# Altium PCB BMS_V2.1_Adv.PcbDoc (part 1 of 4) (continued)
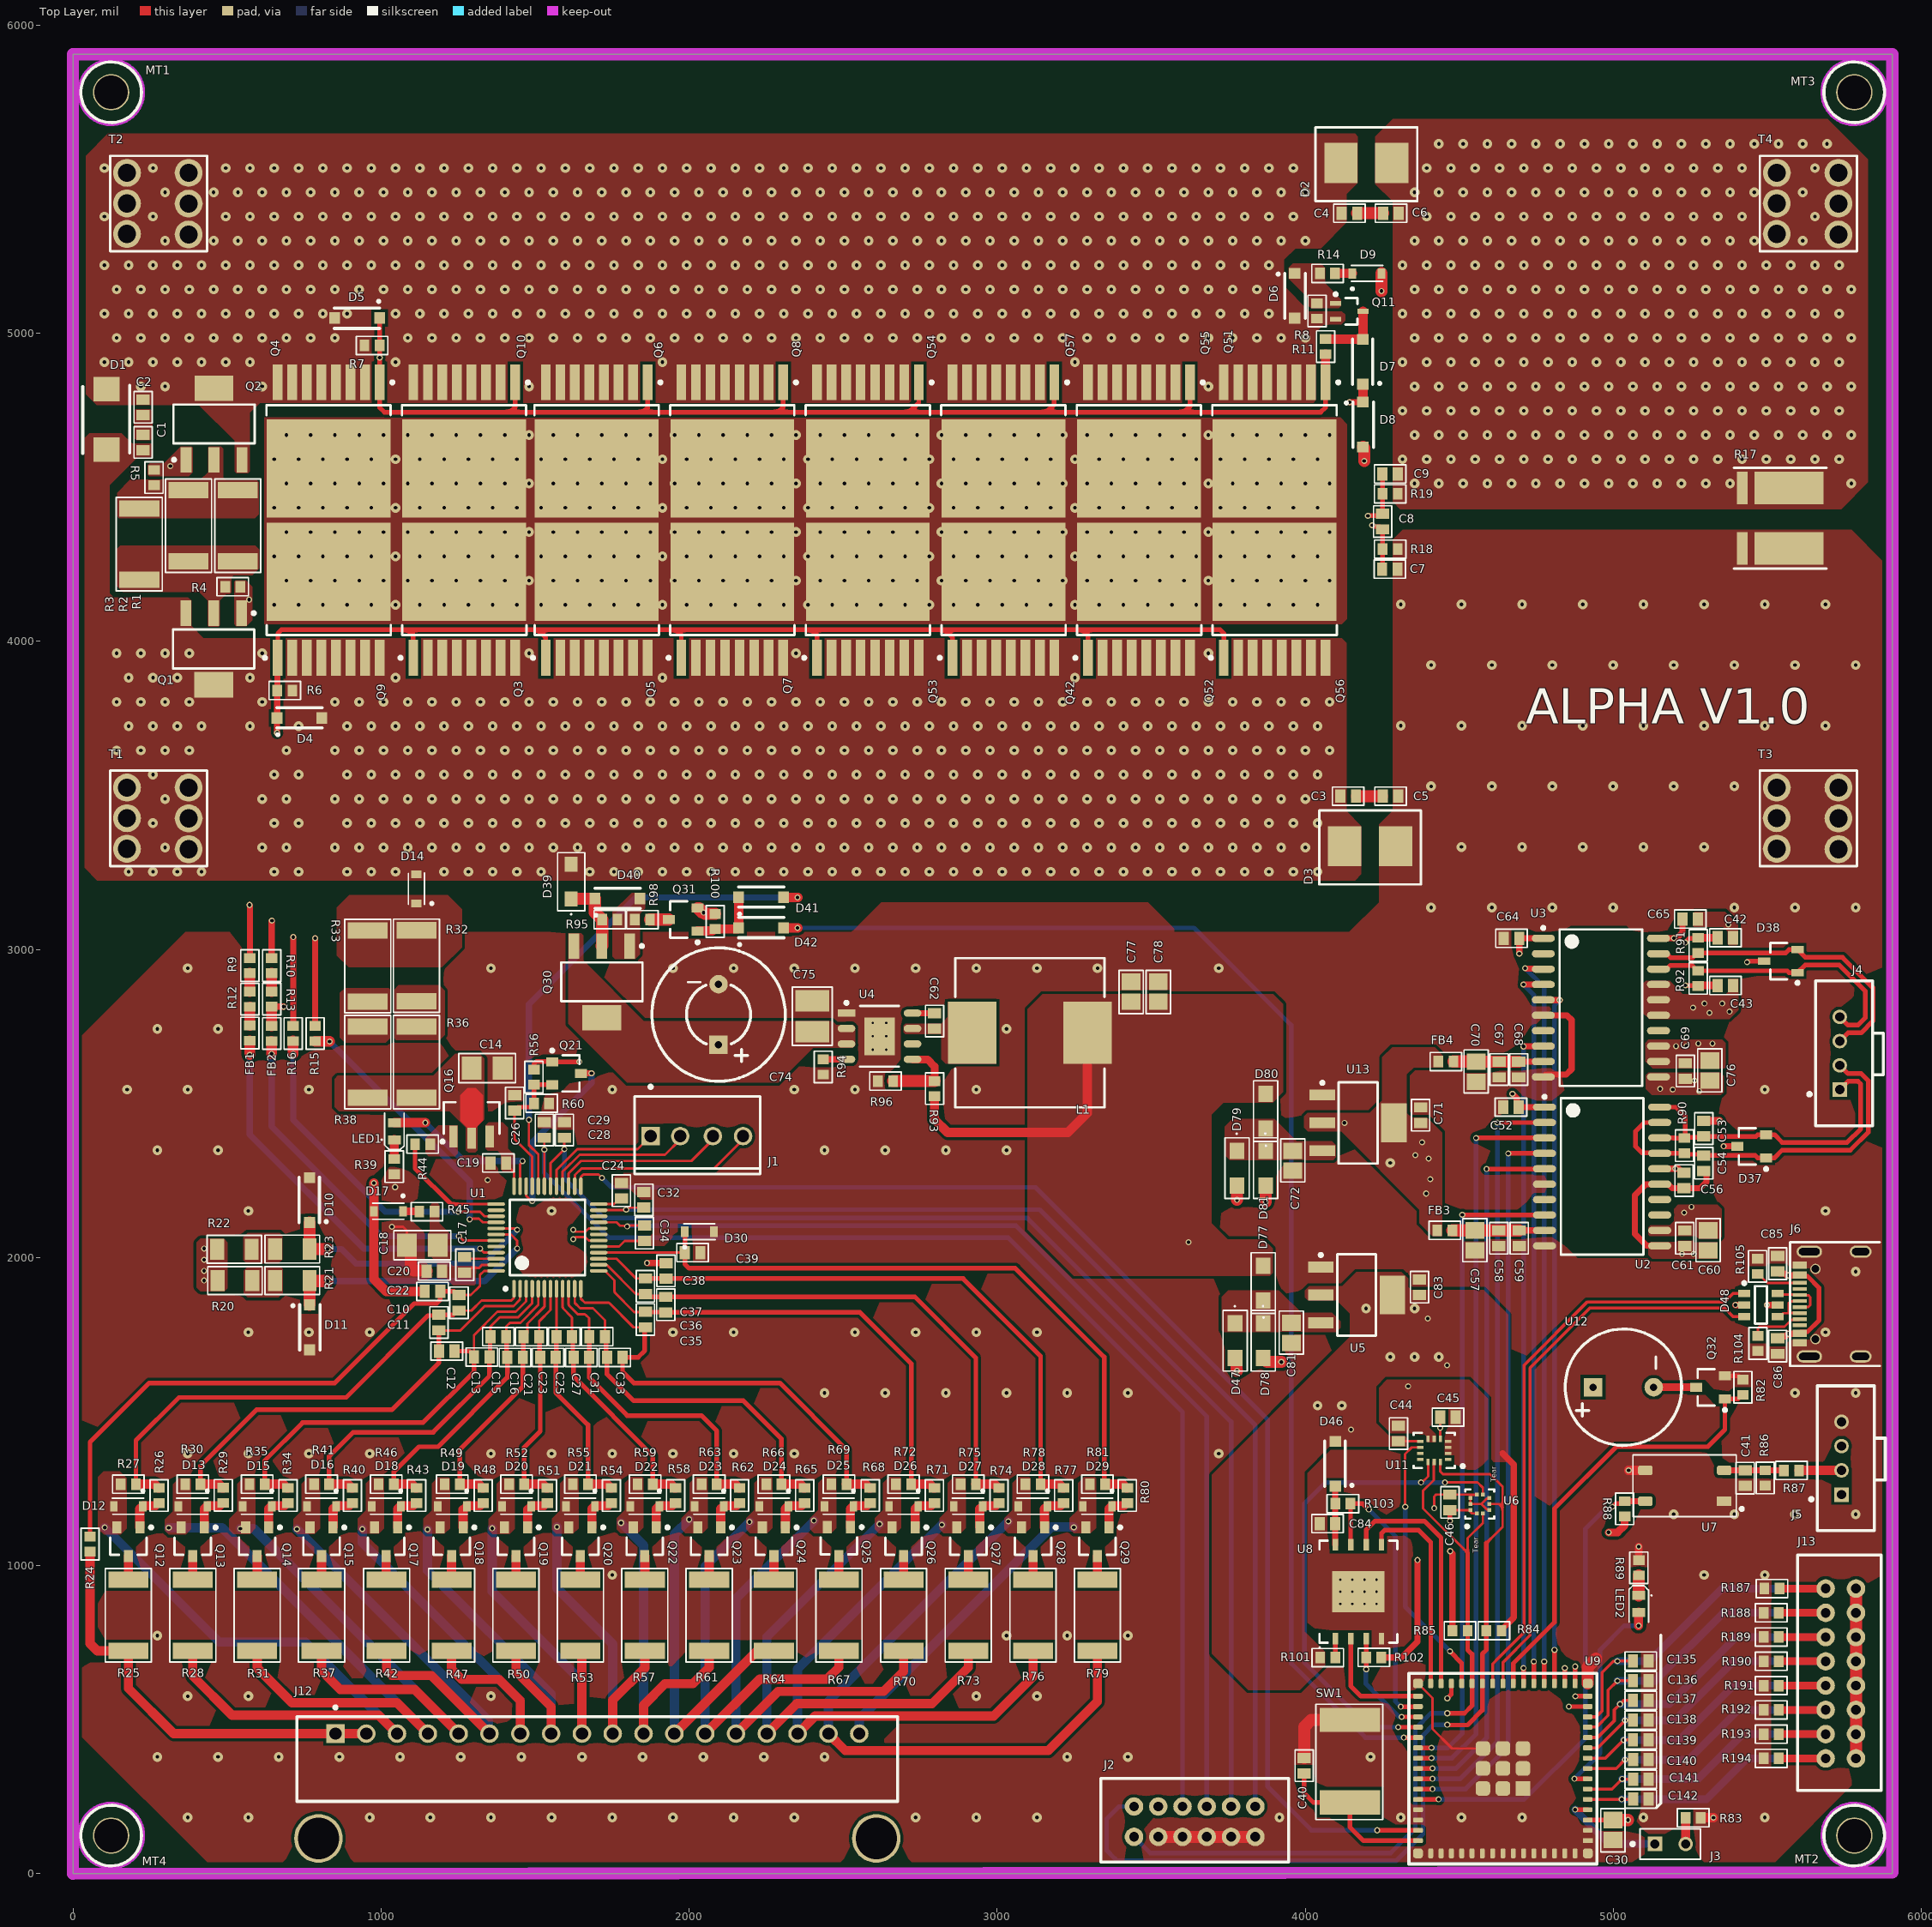
[diagram p0: Top Layer view]
## Components (designator, comment, footprint, x,y, rotation, side; value= is the part's Value field where it differs from the comment) (continued)
Q21 "DMG2302UK-7" SOT95P255X140-3N 1609.45,2597.72 r0 top value="20V 2.8A"
Q22 "DMG2302UK-7" SOT95P255X140-3N 1856,1070 r270 top value="20V 2.8A"
Q23 "DMG2302UK-7" SOT95P255X140-3N 2065,1070 r270 top value="20V 2.8A"
Q24 "DMG2302UK-7" SOT95P255X140-3N 2275,1070 r270 top value="20V 2.8A"
Q25 "DMG2302UK-7" SOT95P255X140-3N 2486,1070.81 r270 top value="20V 2.8A"
Q26 "DMG2302UK-7" SOT95P255X140-3N 2696,1070 r270 top value="20V 2.8A"
Q27 "DMG2302UK-7" SOT95P255X140-3N 2906,1070 r270 top value="20V 2.8A"
Q28 "DMG2302UK-7" SOT95P255X140-3N 3116,1070 r270 top value="20V 2.8A"
Q29 "DMG2302UK-7" SOT95P255X140-3N 3325,1070 r270 top value="20V 2.8A"
Q30 "ZXMP10A17GQTA" SOT230P700X180-4N 1716.47,2894.58 r270 top value="100V 2.4A"
Q31 "DMG2302UK-7" SOT95P255X140-3N 1973.18,3096.68 r180 top value="20V 2.8A"
Q32 "DMG2302UK-7" SOT95P255X140-3N 5307.37,1579 r180 top value="20V 2.8A"
Q42 "NVBLS0D8N08XTXG" DPAK120P1168X240-9N 3020,4135 r90 top value="80V 457A"
Q51 "NVBLS0D8N08XTXG" DPAK120P1168X240-9N 3900,4651.1 r270 top value="80V 457A"
Q52 "NVBLS0D8N08XTXG" DPAK120P1168X240-9N 3460,4135 r90 top value="80V 457A"
Q53 "NVBLS0D8N08XTXG" DPAK120P1168X240-9N 2580,4135 r90 top value="80V 457A"
Q54 "NVBLS0D8N08XTXG" DPAK120P1168X240-9N 2580,4651.1 r270 top value="80V 457A"
Q55 "NVBLS0D8N08XTXG" DPAK120P1168X240-9N 3460,4651.1 r270 top value="80V 457A"
Q56 "NVBLS0D8N08XTXG" DPAK120P1168X240-9N 3900,4135 r90 top value="80V 457A"
Q57 "NVBLS0D8N08XTXG" DPAK120P1168X240-9N 3020,4651.1 r270 top value="80V 457A"
R1 "AC2512FK-7W200RL" "RESC6332X07N 2512" 535,4375 r90 top value=200R
R2 "AC2512FK-7W200RL" "RESC6332X07N 2512" 375.22,4375 r90 top value=200R
R3 "AC2512FK-7W200RL" "RESC6332X07N 2512" 215.52,4315 r90 top value=200R
R4 "CRCW060310M0JNEA" "RESC1608X05N 0603" 518.87,4176.84 r0 top value="10M R"
R5 "CRCW060310M0JNEA" "RESC1608X05N 0603" 263.28,4531.02 r90 top value="10M R"
R6 "CRCW060310M0JNEA" "RESC1608X05N 0603" 688.04,3840.24 r180 top value="10M R"
R7 "CRCW060310M0JNEA" "RESC1608X05N 0603" 970.75,4959.5 r180 top value="10M R"
R8 "CRCW060310M0JNEA" "RESC1608X05N 0603" 4037.57,5071.72 r270 top value="10M R"
R9 "CRCW06035K10JNEA" "RESC1608X05N 0603" 574.22,2947.14 r90 top value="5.1k R"
R10 "CRCW06035K10JNEA" "RESC1608X05N 0603" 645,2947.14 r90 top value="5.1k R"
R11 "CRCW06035K10JNEA" "RESC1608X05N 0603" 4065.35,4956 r270 top value="5.1k R"
R12 "CRCW06035K10JNEA" "RESC1608X05N 0603" 574.22,2838.14 r90 top value="5.1k R"
R13 "CRCW06035K10JNEA" "RESC1608X05N 0603" 645,2838.74 r90 top value="5.1k R"
R14 "CRCW060310K0FKEA" "RESC1608X05N 0603" 4071.71,5193.66 r180 top value="10k R"
R15 "CRCW06035K10JNEA" "RESC1608X05N 0603" 786.1,2727 r90 top value="5.1k R"
R16 "CRCW06035K10JNEA" "RESC1608X05N 0603" 715,2727 r90 top value="5.1k R"
R17 "WSLP2726L5000FEA" "WSLP2726-X- NS" 5530,4399 r90 top value="0.5m R"
R18 "AF0603FR-07100RL" "RESC1608X05N 0603" 4275,4299 r0 top value=100R
R19 "AF0603FR-07100RL" "RESC1608X05N 0603" 4275,4478 r0 top value=100R
R20 "CRCW12065K10JNEA" "RESC3216X06N 1206" 526,1925.45 r0 top value="5.1k R"
R21 "CRCW12065K10JNEA" "RESC3216X06N 1206" 712,1925.45 r0 top value="5.1k R"
R22 "CRCW12065K10JNEA" "RESC3216X06N 1206" 524,2026.45 r0 top value="5.1k R"
R23 "CRCW12065K10JNEA" "RESC3216X06N 1206" 712,2027.45 r0 top value="5.1k R"
R24 "CRCW060320R0FKEAHP" "RESC1608X05N 0603" 55.65,1070 r90 top value=20R
R25 "RC2512FK-0720RL" "RESC6332X07N 2512" 180,839 r90 top value=20R
R26 "CRCW060310K0FKEA" "RESC1608X05N 0603" 279.58,1227.85 r90 top value="10k R"
R27 "CRCW060320R0FKEAHP" "RESC1608X05N 0603" 180,1264.65 r0 top value=20R
R28 "RC2512FK-0720RL" "RESC6332X07N 2512" 389,839 r90 top value=20R
R29 "CRCW060310K0FKEA" "RESC1608X05N 0603" 488,1228 r90 top value="10k R"
R30 "CRCW060320R0FKEAHP" "RESC1608X05N 0603" 389,1264.65 r0 top value=20R
R31 "RC2512FK-0720RL" "RESC6332X07N 2512" 598,839 r90 top value=20R
R32 "CRCW2512220RJNEG" "RESC6332X07N 2512" 1114.96,2946.73 r90 top value=220R
R33 "CRCW2512220RJNEG" "RESC6332X07N 2512" 956.96,2945.89 r90 top value=220R
R34 "CRCW060310K0FKEA" "RESC1608X05N 0603" 698.14,1227.6 r90 top value="10k R"
R35 "CRCW060320R0FKEAHP" "RESC1608X05N 0603" 598,1264.65 r0 top value=20R
R36 "CRCW2512220RJNEG" "RESC6332X07N 2512" 1114.96,2633.89 r90 top value=220R
R37 "RC2512FK-0720RL" "RESC6332X07N 2512" 807,839 r90 top value=20R
R38 "CRCW2512220RJNEG" "RESC6332X07N 2512" 956.96,2633.89 r90 top value=220R
R39 "AC0603FR-10200RL" "RESC1608X05N 0603" 1042.9,2295 r90 top value=200R
R40 "CRCW060310K0FKEA" "RESC1608X05N 0603" 907.26,1227.6 r90 top value="10k R"
R41 "CRCW060320R0FKEAHP" "RESC1608X05N 0603" 807,1264.65 r0 top value=20R
R42 "RC2512FK-0720RL" "RESC6332X07N 2512" 1018,839 r90 top value=20R
R43 "CRCW060310K0FKEA" "RESC1608X05N 0603" 1115.27,1227.6 r90 top value="10k R"
R44 "AF0603FR-07100RL" "RESC1608X05N 0603" 1135,2368 r0 top value=100R
R45 "AF0603FR-07100RL" "RESC1608X05N 0603" 1149,2149 r0 top value=100R
R46 "CRCW060320R0FKEAHP" "RESC1608X05N 0603" 1016.67,1264.65 r0 top value=20R
R47 "RC2512FK-0720RL" "RESC6332X07N 2512" 1229,839 r90 top value=20R
R48 "CRCW060310K0FKEA" "RESC1608X05N 0603" 1331.61,1227.6 r90 top value="10k R"
R49 "CRCW060320R0FKEAHP" "RESC1608X05N 0603" 1231,1264.65 r0 top value=20R
R50 "RC2512FK-0720RL" "RESC6332X07N 2512" 1438,839 r90 top value=20R
R51 "CRCW060310K0FKEA" "RESC1608X05N 0603" 1539.94,1227.6 r90 top value="10k R"
R52 "CRCW060320R0FKEAHP" "RESC1608X05N 0603" 1440,1264.65 r0 top value=20R
R53 "RC2512FK-0720RL" "RESC6332X07N 2512" 1647,839 r90 top value=20R
R54 "CRCW060310K0FKEA" "RESC1608X05N 0603" 1747.68,1227.6 r90 top value="10k R"
R55 "CRCW060320R0FKEAHP" "RESC1608X05N 0603" 1647,1264.65 r0 top value=20R
R56 "CRCW060310K0FKEA" "RESC1608X05N 0603" 1496.36,2585.39 r270 top value="10k R"
R57 "RC2512FK-0720RL" "RESC6332X07N 2512" 1856,839 r90 top value=20R
R58 "CRCW060310K0FKEA" "RESC1608X05N 0603" 1956.02,1227.6 r90 top value="10k R"
R59 "CRCW060320R0FKEAHP" "RESC1608X05N 0603" 1857.18,1264.65 r0 top value=20R
R60 "CRCW060310K0FKEA" "RESC1608X05N 0603" 1521.06,2500.42 r0 top value="10k R"
R61 "RC2512FK-0720RL" "RESC6332X07N 2512" 2065,839 r90 top value=20R
R62 "CRCW060310K0FKEA" "RESC1608X05N 0603" 2163.76,1227.6 r90 top value="10k R"
R63 "CRCW060320R0FKEAHP" "RESC1608X05N 0603" 2065,1264.65 r0 top value=20R
R64 "RC2512FK-0720RL" "RESC6332X07N 2512" 2275,839 r90 top value=20R
R65 "CRCW060310K0FKEA" "RESC1608X05N 0603" 2375.03,1227.6 r90 top value="10k R"
R66 "CRCW060320R0FKEAHP" "RESC1608X05N 0603" 2275,1264.65 r0 top value=20R
R67 "RC2512FK-0720RL" "RESC6332X07N 2512" 2486,839 r90 top value=20R
R68 "CRCW060310K0FKEA" "RESC1608X05N 0603" 2587.71,1227.6 r90 top value="10k R"
R69 "CRCW060320R0FKEAHP" "RESC1608X05N 0603" 2486,1264.65 r0 top value=20R
R70 "RC2512FK-0720RL" "RESC6332X07N 2512" 2696,839 r90 top value=20R
R71 "CRCW060310K0FKEA" "RESC1608X05N 0603" 2795.92,1227.6 r90 top value="10k R"
R72 "CRCW060320R0FKEAHP" "RESC1608X05N 0603" 2696,1264.65 r0 top value=20R
R73 "RC2512FK-0720RL" "RESC6332X07N 2512" 2906,839 r90 top value=20R
R74 "CRCW060310K0FKEA" "RESC1608X05N 0603" 3005.58,1227.6 r90 top value="10k R"
R75 "CRCW060320R0FKEAHP" "RESC1608X05N 0603" 2906,1264.65 r0 top value=20R
R76 "RC2512FK-0720RL" "RESC6332X07N 2512" 3116,839 r90 top value=20R
R77 "CRCW060310K0FKEA" "RESC1608X05N 0603" 3215.49,1227.6 r90 top value="10k R"
R78 "CRCW060320R0FKEAHP" "RESC1608X05N 0603" 3116,1264.65 r0 top value=20R
R79 "RC2512FK-0720RL" "RESC6332X07N 2512" 3325,839 r90 top value=20R
R80 "CRCW060310K0FKEA" "RESC1608X05N 0603" 3421.83,1227.6 r90 top value="10k R"
R81 "CRCW060320R0FKEAHP" "RESC1608X05N 0603" 3325,1264.65 r0 top value=20R
R82 "CRCW060310K0FKEA" "RESC1608X05N 0603" 5420,1579 r90 top value="10k R"
R83 "CRCW060310K0FKEA" "RESC1608X05N 0603" 5258.61,182 r0 top value="10k R"
R84 "CRCW060310K0FKEA" "RESC1608X05N 0603" 4611.66,789 r180 top value="10k R"
R85 "CRCW060310K0FKEA" "RESC1608X05N 0603" 4502,789 r0 top value="10k R"
R86 "CRCW0805100KFKEA" "RESC1608X05N 0603" 5492.23,1284.65 r270 top value="100k R"
R87 "AC0603FR-7W1KL" "RESC1608X05N 0603" 5577.51,1309.26 r0 top value="1k R"
R88 "CRCW060310K0FKEA" "RESC1608X05N 0603" 5036.08,1184.65 r90 top value="10k R"
R89 "AF0603FR-07100RL" "RESC1608X05N 0603" 5082,993.3 r270 top value=100R
R90 "AF0603FR-07120RL" "RESC1608X05N 0603" 5230,2363 r270 top value=120R
R91 "AC0603FR-0759RL" "RESC1608X05N 0603" 5275,3013 r90 top value=59R
R92 "AC0603FR-0759RL" "RESC1608X05N 0603" 5275,2906 r90 top value=59R
R93 "CRCW0805100KFKEA" "RESC1608X05N 0603" 2796.47,2547.95 r270 top value="100k R"
R94 "AC0603FR-0764K9L" "RESC1608X05N 0603" 2435.12,2618.45 r90 top value="64.9k R"
R95 "CRCW06033M00JNEA" "RESC1608X05N 0603" 1742.47,3096.58 r0 top value="3M R"
R96 "AC0603FR-079K09L" "RESC1608X05N 0603" 2637.37,2572.48 r0 top value="9.09k R"
R98 "CRCW06036M80JNEA" "RESC1608X05N 0603" 1848.48,3096.57 r180 top value="6.8M R"
R100 "CRCW060310K0FKEA" "RESC1608X05N 0603" 2084.47,3090.58 r270 top value="10k R"
R101 "CRCW060310K0FKEA" "RESC1608X05N 0603" 4072.39,701.6 r0 top value="10k R"
R102 "CRCW060310K0FKEA" "RESC1608X05N 0603" 4222,702 r180 top value="10k R"
R103 "CRCW060310K0FKEA" "RESC1608X05N 0603" 4121.61,1201 r180 top value="10k R"
R104 "CRCW06035K10JNEA" "RESC1608X05N 0603" 5468.56,1721.2 r90 top value="5.1k R"
R105 "CRCW06035K10JNEA" "RESC1608X05N 0603" 5467.56,1971.5 r90 top value="5.1k R"
R187 "RNCF0603BTE10K0" "RESC1608X05N 0603" 5514,925.7 r0 top value="10k R"
R188 "RNCF0603BTE10K0" "RESC1608X05N 0603" 5511.68,846.96 r0 top value="10k R"
R189 "RNCF0603BTE10K0" "RESC1608X05N 0603" 5511.68,768.22 r0 top value="10k R"
R190 "RNCF0603BTE10K0" "RESC1608X05N 0603" 5511.68,689.48 r0 top value="10k R"
R191 "RNCF0603BTE10K0" "RESC1608X05N 0603" 5511.68,610.74 r0 top value="10k R"
R192 "RNCF0603BTE10K0" "RESC1608X05N 0603" 5511.68,532 r0 top value="10k R"
R193 "RNCF0603BTE10K0" "RESC1608X05N 0603" 5511.68,453.26 r0 top value="10k R"
R194 "RNCF0603BTE10K0" "RESC1608X05N 0603" 5511.68,374.52 r0 top value="10k R"
SW1 "TL3305AF260QG" SW_TL3305AF260QG 4144.26,370.68 r270 top
T1 "7461057" 7461057 275.59,3425 r0 top value="100 A"
T2 "7461057" 7461057 275.59,5420 r0 top value="100 A"
T3 "7461057" 7461057 5629.92,3425 r0 top value="100 A"
T4 "7461057" 7461057 5629.92,5420 r0 top value="100 A"
U1 "BQ7695203" TSQFP50P900X900X120-48N 1540,2065 r90 top value=BQ7695203PFBR
U2 "ISOW1412BDFMR" SOIC127P1030X355-20N 4962.99,2263 r0 top
U3 "ISOW1044BDFMR" SOIC127P1030X355-20N 4959,2811 r0 top
U4 "LMR38020FSDDAR" "SOIC127P600X170_HS-9N LM5164" 2617.68,2718.05 r0 top
U5 "NCP1117ST33T3G" "SOT230P700X180-4N - NCP" 4166.17,1878.47 r0 top value="3.3V - 1A"
U6 "ILPS22QSTR" QFN50P200X200X80-10N 4566,1200 r90 top value="3.3V - 50uA"
U7 "VOM617A-4X001T" "SOIC127P700X220-4N TLP293" 5231.08,1259.26 r180 top value="1.6V - 60mA/ 80V - 100mA"
U8 "W25Q256JVEIQ" SON127P800X80_HS-9N 4172,915.36 r90 top value="4 kb 256Mbit"
U9 "ESP32-S3-MINI-1-N8" ESP32-S3_MINI 4641.04,341.96 r180 top
U11 "ASM330LHHTR" QFN50P300X250X86-14N_ASM330LHHTR 4418,1374 r180 top value="6D IMU"
U12 "AI-1027-TWT-5V-R" BUZZER 5032,1579 r90 top value="5V 30mA 2.7kHz"
U13 "NCP1117ST50T3G" "SOT230P700X180-4N - NCP" 4171.14,2437 r0 top value="5V - 1A"

## Footprints (in the part's own frame and the unit in brackets; to place one, negate y for a bottom-side part, rotate by r counter-clockwise, add the part's x,y. Pads: shape width x height; smd on the part's side, far side on the other; paste and mask are expansions set on the pad)
7461057 [mm] "7461057 Screw Terminal"
  round 2.3 hole 1.5: 1(-2.543,-2.501) 1(-2.543,0.02) 1(-2.54,2.54) 1(2.54,-2.54) 1(2.54,2.541) 1(2.543,0)
  silkscreen extent -3.94,-3.94 4.06,3.94, body extent -3.5,-3.5 3.5,3.5, height 6
"ALUMINIUM ELECTROLYTIC CAPACITOR" [mil] "Electrolytic Capacitor -Through Hole"
  rect 60x60 hole 23.62: 1(0,98.43)
  round 60 hole 23.62: 2(0,-98.43)
  silkscreen extent -217,-216 216,216, body extent -207,-207 209,207, height 670
BUZZER [mil] "Buzzer - Through Hole"
  rect 60x60 hole 23.62: 1(0,98.43)
  round 60 hole 23.62: 2(0,-98.43)
  silkscreen extent -189,-189 189,189, body extent -187,-234 187,187, height 199
"CAPC1608X05N 0603" [mm] "Chip Capacitor, 2-Leads, Body 1.55x0.85mm, IPC Medium Density"
  rect 0.84x1.1 smd: 1(-0.64,0) 2(0.64,0)
  silkscreen extent -1.3,-0.75 1.3,0.75, body extent -0.8,-0.4 0.8,0.4, height 0.91
"CAPC2012X13N 0805" [mm] "Chip Capacitor, 2-Leads, Body 2.05x1.23mm, IPC Medium Density"
  rect 1.35x1.55 smd: 1(-0.825,0) 2(0.825,0)
  silkscreen extent -1.75,-1 1.8,1, body extent -1.1,-0.69 1.1,0.76, height 1.46
"CAPC3216X19N 1206" [mm] "Chip Capacitor, 2-Leads, Body 3.20x1.60mm, IPC Medium Density"
  rect 1.65x1.9 smd: 1(-1.275,0) 2(1.275,0)
  silkscreen extent -2.35,-1.2 2.35,1.2, body extent -1.75,-0.95 1.75,0.95, height 1.9
"CAPC3225X28N 1210" [mm] "Chip Capacitor, 2-Leads, Body 3.20x2.50mm, IPC Medium Density"
  rect 1.75x2.8 smd: 1(-1.275,0) 2(1.275,0)
  silkscreen extent -2.4,-1.65 2.4,1.65, body extent -1.8,-1.4 1.8,1.4, height 2.79
CON_559350430 [mm] "559350430 2mm Pitch connector"
  rect 1.2x1.2 hole 0.762: 1(-3,0.3)
  round 1.2 hole 0.762: 2(-1,0.3) 3(1,0.3) 4(3,0.3)
  silkscreen extent -5.97,-3.3 5.97,2.93, body extent -6,-9.46 6,2.29, height 6.7
Con_0559591230 [mm] "0559591230"
  round 1.524 hole 0.8: 1(-5,-1.25) 2(-3,-1.25) 3(-1,-1.25) 4(1,-1.25) 5(3,-1.25) 6(5,-1.25) 7(5,1.25) 8(3,1.25) 9(1,1.25) 10(-1,1.25) 11(-3,1.25) 12(-5,1.25)
  silkscreen extent -7.75,-3.56 7.75,3.32, body extent -7.67,-3.56 7.73,10.94, height 11.51
Con_0559591630 [mm] "0559591630"
  round 1.524 hole 0.8: 1(-7,-1.25) 2(-5,-1.25) 3(-3,-1.25) 4(-1,-1.25) 5(1,-1.25) 6(3,-1.25) 7(5,-1.25) 8(7,-1.25) 9(7,1.25) 10(5,1.25) 11(3,1.25) 12(1,1.25) 13(-1,1.25) 14(-3,1.25) 15(-5,1.25) 16(-7,1.25)
  silkscreen extent -9.78,-3.56 9.65,3.32, body extent -9.72,-3.54 9.68,10.96, height 11.51
CON_705550017 [mil] "18 Pin Through Hole Connector -2.54mm Pitch,RA"
  rect 60x60 hole 40: 1(0,850)
  round 60 hole 40: 2(0,750) 3(0,650) 4(0,550) 5(0,450) 6(0,350) 7(0,250) 8(0,150) 9(0,50) 10(0,-50) 11(0,-150) 12(0,-250) 13(0,-350) 14(0,-450) 15(0,-550) 16(0,-650) 17(0,-750) 18(0,-850)
  round 157.48 hole 133.86: X(-340.16,905.12) X(-340.16,-905.12)
  silkscreen extent -220,-975 90,975, body extent -510,-975 25,975, height 261
CON_61300211121 [mm] "2 Pin Connector - Through Hole - 2mm Pitch"
  rect 1.2x1.2 hole 0.762: 1(-1.27,0)
  round 1.2 hole 0.762: 2(1.27,0)
  silkscreen extent -3.24,-1.25 2.5,1.25, body extent -2.54,-1.27 2.54,1.27, height 8.05
CON_61900411121 [mil] "4 pos Header - 2.54mm Pitch"
  rect 60x60 hole 39.37: 1(-12,151)
  round 60 hole 39.37: 2(-12,55) 3(-12.01,-51) 4(-12,-149)
  silkscreen extent -135,-205 153,203, body extent -114,-200 114,200, height 453
CON_USB4105-GF-A [mm] "USB Type C 2.0 Connector"
  rect 0.6x1.15 smd: A1B12(-3.2,3.581) A4B9(-2.4,3.581) B1A12(3.2,3.581) B4A9(2.4,3.581)
  rect 0.3x1.15 smd: A5(-1.25,3.581) A6(-0.25,3.581) A7(0.25,3.581) A8(1.25,3.581) B5(1.75,3.581) B6(0.75,3.581) B7(-0.75,3.581) B8(-1.75,3.581)
  oval 1x1.8 hole 0.6 slot 1.4 at 90 deg: X(-4.318,-1.437) X(4.322,-1.437)
  oval 1x2.1 hole 0.6 slot 1.7 at 90 deg: X(-4.318,2.794) X(4.322,2.794)
  round 0 on Drill Drawing: X(-3.937,3.302) X(4.191,2.921)
  round 0.85 hole 0.65: X(-2.896,2.286) X(2.896,2.286)
  silkscreen extent -5.1,-3 5.1,4.38, body extent -4.47,-4 4.47,3.71, height 3.32
"DIOC1610X08N LED" [mm] "Chip Diode, 2-Leads, Body 1.65x0.95mm, IPC Medium Density"
  rect 0.75x1.05 smd: 1(-0.7,0) 2(0.7,0)
  silkscreen extent -1.5,-0.8 1.5,1.09, body extent -0.8,-0.4 0.8,0.4, height 0.81
DIODE_SMDJ70A [mm] "SMC J lead Diode"
  rect 2.75x3.3 smd: 1(2.1,0) 2(-2.1,0)
  silkscreen extent -4.19,-2.95 4.19,3.15, body extent -3.97,-2.95 3.97,2.95, height 2.63
DIODE_SMP100LC-140 [mm] "SMP100LC-140"
  rect 2x2.18 smd: 1(-2.5,0) 2(2.5,0)
  silkscreen extent -2.79,-1.91 2.79,1.96, body extent -2.68,-1.81 2.68,1.81, height 2.66
DIODE_SOD123 [mm] "BAT46W, MMSZ4697T1G, MMSZ5246BQ-7-F, SBR80520LT1G"
  rect 0.9x0.95 smd: 1(1.85,0) 2(-1.85,0)
  silkscreen extent -1.88,-0.86 1.86,1.45, body extent -1.84,-0.83 1.84,0.77, height 1.26
DIODE_SOD323 [mm] "SBAS16HT1G,"
  rect 0.63x0.85 smd: 1(1.2,0) 2(-1.2,0)
  silkscreen extent -1.32,-0.66 1.28,1.35, body extent -1.25,-0.62 1.25,0.62, height 0.91
DPAK120P1168X240-9N [mm] "TO, 9-Pads, Body 8.34x8.36mm (max), IPC Medium Density"
  rect 2.95x0.8 smd: 1(-4.8,4.2) 2(-4.8,3) 3(-4.8,1.8) 4(-4.8,0.6) 5(-4.8,-0.6) 6(-4.8,-1.8) 7(-4.8,-3) 8(-4.8,-4.2)
  rect 8.1x10.2 smd: 9(2.3,0)
  silkscreen extent -4.92,-5.13 -2.1,5.37, body extent -5.84,-4.96 5.84,4.96, height 2.3
ESP32-S3_MINI [mm] "Multiprotocol Modules SMD module, ESP32-S3FN8, 8 MB SPI flash, PCB antenna"
  rect 0.8x0.4 smd: 1(-7,5.95)
  rrect50% 0.8x0.4 smd: 2(-6.985,5.1) 3(-6.985,4.25) 4(-6.985,3.4) 5(-6.985,2.55) 6(-6.985,1.7) 7(-6.985,0.85) 8(-6.985,0) 9(-6.985,-0.85) 10(-6.985,-1.7) 11(-6.985,-2.55) 12(-6.985,-3.4) 13(-6.985,-4.25) 14(-6.985,-5.1) 15(-6.985,-5.95) 31(7,-5.95) 32(7,-5.1) 33(7,-4.25) 34(7,-3.4) 35(7,-2.55) 36(7,-1.7) 37(7,-0.85) 38(7,0) 39(7,0.85) 40(7,1.7) 41(7,2.55) 42(7,3.4) 43(7,4.25) 44(7,5.1) 45(7,5.95)
  rrect50% 0.4x0.8 smd: 16(-5.95,-7) 17(-5.1,-7) 18(-4.25,-7) 19(-3.4,-7) 20(-2.55,-7) 21(-1.7,-7) 22(-0.85,-7) 23(0,-7) 24(0.85,-7) 25(1.7,-7) 26(2.55,-7) 27(3.4,-7) 28(4.25,-7) 29(5.1,-7) 30(5.95,-7) 46(5.95,7) 47(5.1,7) 48(4.25,7) 49(3.4,7) 50(2.55,7) 51(1.7,7) 52(0.85,7) 53(0,7) 54(-0.85,7) 55(-1.7,7) 56(-2.55,7) 57(-3.4,7) 58(-4.25,7) 59(-5.1,7) 60(-5.95,7)
  rect 1.2x1.2 smd: 61(-1.65,1.65)
  rrect50% 1.2x1.2 smd: 61(-1.65,0) 61(-1.65,-1.65) 61(0,1.65) 61(0,0) 61(0,-1.65) 61(1.65,1.65) 61(1.65,0) 61(1.65,-1.65)
  rrect50% 0.8x0.8 smd: 62(-7,7) 63(-7,-7) 64(7,-7) 65(7,7)
  silkscreen extent -7.76,-7.82 7.75,7.87, body extent -7.7,-7.73 7.7,12.78, height 2.56
INDP120120X102N [mm] "Precision Wire Wound Inductor, 2-Leads, Body 12.00x12.00mm, IPC Medium Density"
  rect 4x5.1 smd: 1(-4.75,0) 2(4.75,0)
  silkscreen extent -6.15,-6.15 6.15,6.15, body extent -6.15,-6.15 6.15,6.15, height 10.21
"MOUNTING HOLE" [mm] "Mounting Hole  M6"
  round 3 hole 2.75: 1(0,0)
  silkscreen extent -2.5,-2.5 2.5,2.5, body extent -3.4,-3.4 3.4,3.4, height 20.01
QFN50P200X200X80-10N [mm] "QFN, 10-Leads, Body 2.00x2.00mm, Pitch 0.50mm, IPC Medium Density"
  rect 0.335x0.31 smd: 1(-0.775,0.25) 2(-0.775,-0.25) 6(0.775,-0.25) 7(0.775,0.25)
  rect 0.31x0.335 smd: 3(-0.5,-0.775) 4(0,-0.775) 5(0.5,-0.775) 8(0.5,0.775) 9(0,0.775) 10(-0.5,0.775)
  silkscreen extent -1.97,-1.2 1.2,1.2, body extent -1.05,-1.05 1.05,1.05, height 0.81
QFN50P300X250X86-14N_ASM330LHHTR [mm] "QFN, 14-Leads, Body 3.00x2.50mm, Pitch 0.50mm, IPC Medium Density"
  rect 0.55x0.25 smd: 1(-1.15,0.75) 2(-1.15,0.25) 3(-1.15,-0.25) 4(-1.15,-0.75) 8(1.15,-0.75) 9(1.15,-0.25) 10(1.15,0.25) 11(1.15,0.75)
  rect 0.25x0.55 smd: 5(-0.5,-0.95) 6(0,-0.95) 7(0.5,-0.95) 12(0.5,0.95) 13(0,0.95) 14(-0.5,0.95)
  silkscreen extent -2.48,-1.45 1.7,1.45, body extent -1.5,-1.25 1.5,1.25, height 0.87
"RESC1608X05N 0603" [mm] "Chip Resistor, 2-Leads, Body 1.55x0.85mm, IPC Medium Density"
  rect 0.8x0.95 smd: 1(-0.625,0) 2(0.625,0)
  silkscreen extent -1.3,-0.75 1.3,0.75, body extent -0.82,-0.48 0.82,0.48, height 0.5
"RESC3216X06N 1206" [mm] "Chip Resistor, 2-Leads, Body 3.15x1.60mm, IPC Medium Density"
  rect 1.15x1.75 smd: 1(-1.425,0) 2(1.425,0)
  silkscreen extent -2.25,-1.15 2.25,1.15, body extent -1.6,-0.8 1.6,0.8, height 0.61
"RESC6332X07N 2512" [mm] "Chip Resistor, 2-Leads, Body 6.30x3.15mm, IPC Medium Density"
  rect 1.35x3.3 smd: 1(-2.925,0) 2(2.925,0)
  silkscreen extent -3.85,-1.9 3.85,1.9, body extent -3.12,-1.58 3.17,1.58, height 0.71
SODFL350X110-2N [mm] "SODFL, 2-Leads, Body 1.65x3.50mm, IPC Medium Density"
  rect 1.25x1.05 smd: 1(-1.425,0) 2(1.425,0)
  silkscreen extent -2.74,-1.13 2.39,1.12, body extent -1.75,-0.9 1.75,0.9, height 1.1
SODFL360X98-2N [mm] "SODFL, 2-Leads, Body 1.65x3.60mm, IPC Medium Density"
  rect 1.35x1.22 smd: 1(-1.425,0) 2(1.425,0)
  silkscreen extent -2.89,-1 2.5,1, body extent -1.91,-0.89 1.91,0.91, height 1
"SOIC127P600X170_HS-9N LM5164" [mm] "SOIC, 8-Leads, Body 4.90x3.90mm, Pitch 1.27mm, Thermal Pad 3.10x2.50mm, IPC Medium Density"
  rect 1.45x0.6 smd: 1(-2.725,1.905)
  oval 1.45x0.6 smd: 2(-2.725,0.635) 3(-2.725,-0.635) 4(-2.725,-1.905) 5(2.725,-1.905) 6(2.725,-0.635) 7(2.725,0.635) 8(2.725,1.905)
  rect 2.5x3.1 smd: 9(0,0)
  silkscreen extent -2.85,-2.5 1.6,2.88, body extent -3,-2.45 3,2.45, height 1.56
"SOIC127P700X220-4N TLP293" [mm] "SOIC, 4-Leads, Body 2.65x4.60mm, Pitch 1.27mm, IPC Medium Density"
  rect 1.2x0.8 smd: 1(-3.25,1.27)
  rrect50% 1.2x0.8 smd: 2(-3.25,-1.27) 3(3.25,-1.27) 4(3.25,1.27)
  silkscreen extent -4.82,-2.55 4.27,2.54, body extent -3.47,-2.46 3.47,2.46, height 2.13
SOIC127P1030X355-20N [mm] "SOIC, 20-Leads, Body 12.83x7.50mm, Pitch 1.27mm, IPC Medium Density"
  oval 1.9x0.6 smd: 1(-4.75,5.715) 2(-4.75,4.445) 3(-4.75,3.175) 4(-4.75,1.905) 5(-4.75,0.635) 6(-4.75,-0.635) 7(-4.75,-1.905) 8(-4.75,-3.175) 9(-4.75,-4.445) 10(-4.75,-5.715) 11(4.75,-5.715) 12(4.75,-4.445) 13(4.75,-3.175) 14(4.75,-1.905) 15(4.75,-0.635) 16(4.75,0.635) 17(4.75,1.905) 18(4.75,3.175) 19(4.75,4.445) 20(4.75,5.715)
  silkscreen extent -4.87,-6.45 3.4,6.69, body extent -5.15,-6.45 5.15,6.45, height 3.55
SON127P800X80_HS-9N [mm] "SON, 8-Leads, Body 6.00x8.00mm, Pitch 1.27mm, Thermal Pad 4.30x3.40mm, IPC Medium Density"
  rect 0.95x0.45 smd: 1(-3.87,1.905) 2(-3.87,0.635) 3(-3.87,-0.635) 4(-3.87,-1.905) 5(3.87,-1.905) 6(3.87,-0.635) 7(3.87,0.635) 8(3.87,1.905)
  rect 3.4x4.3 smd paste-1.7: 9(0,0)
  silkscreen extent -4.65,-3.2 4.2,3.25, body extent -4,-3 4,3, height 0.81
SOT65P210X110-3N [mm] "SOT23, 3-Leads, Body 2.00x2.10mm, Pitch 0.65mm, IPC Medium Density"
  rect 0.9x0.4 smd: 1(-1.125,0.65) 2(-1.125,-0.65) 3(1.125,0)
  silkscreen extent -1.25,-1.1 0.67,1.52, body extent -1.2,-1.12 1.19,1.09, height 1.09
SOT89-150P410X160-3N [mm] "SOT89, 3-Leads, Body 4.50x2.50mm, Pitch 1.50mm, Lead Span 4.1mm, IPC Medium Density"
  rect 1.8x0.7 smd: B(-1.5,1.5) E(-1.5,-1.5)
  rect 1.7x0.7 smd: C(-1.65,0)
  Top Layer region: -0.889,0.261 -0.2,0.95 1.9,0.95 2.5,0.35 2.5,-0.35 1.9,-0.95 -0.2,-0.95 -0.889,-0.261
  silkscreen extent -2.05,-2.3 1.32,2.52, body extent -2.2,-2.25 1.93,2.25, height 1.61
SOT95P255X125-3N [mm] "SOT23, 3-Leads, Body 2.90x2.55mm, Pitch 0.95mm, IPC Medium Density"
  rect 1x0.6 smd: 1(-1.375,0.95) 2(-1.375,-0.95) 3(1.375,0)
  silkscreen extent -1.5,-1.5 0.87,1.92, body extent -1.5,-1.52 1.5,1.52, height 1.25
SOT95P255X140-3N [mm] "SOT23, 3-Leads, Body 2.90x2.55mm, Pitch 0.95mm, IPC Medium Density"
  rect 1x0.75 smd: 1(-1.375,0.95) 2(-1.375,-0.95) 3(1,0)
  silkscreen extent -1.5,-1.5 0.87,2, body extent -1.48,-1.45 0.92,1.45, height 1.05
SOT95P280X145-6N [mm] "SOT23, 6-Leads, Body 2.93x2.80mm, Pitch 0.95mm, IPC Medium Density"
  rect 1x0.6 smd: 1(-1.375,0.95) 2(-1.375,0) 3(-1.375,-0.95) 4(1.375,-0.95) 5(1.375,0) 6(1.375,0.95)
  silkscreen extent -1.5,-1.55 0.5,1.92, body extent -1.5,-1.53 1.5,1.53, height 1.45
SOT230P700X180-4N [mm] "SOT223, 4-Leads, Body 6.50x7.00mm (avg), Pitch 2.30mm, IPC Medium Density"
  rect 2.1x0.9 smd: 1(-2.95,2.3) 2(-2.95,0) 3(-2.95,-2.3)
  rect 2.1x3.2 smd: 4(2.95,0)
  silkscreen extent -3.07,-3.35 1.6,3.43, body extent -3.64,-3.35 3.64,3.35, height 1.81
"SOT230P700X180-4N - NCP" [mm] "SOT223, 4-Leads, Body 6.50x7.00mm (avg), Pitch 2.30mm, IPC Medium Density"
  rect 2.1x0.9 smd: 1(-2.95,2.3) 2(-2.95,0) 3(-2.95,-2.3)
  rect 2.1x3.2 smd: 2(2.95,0)
  silkscreen extent -3.07,-3.35 1.6,3.42, body extent -3.5,-3.25 3.5,3.25, height 1.7
SW_TL3305AF260QG [mm] "TL3305AF260QG"
  rect 2x5 smd: 1(-3.277,0) 2(3.531,0)
  silkscreen extent -4.56,-2.79 4.94,2.71, body extent -3.75,-2.25 3.75,2.25, height 3.7
TSQFP50P900X900X120-48N [mm] "TSQFP, 48-Leads, Body 7.00x7.00mm, Pitch 0.50mm, IPC Medium Density"
  oval 1.45x0.3 smd: 1(-4.225,2.75) 2(-4.225,2.25) 3(-4.225,1.75) 4(-4.225,1.25) 5(-4.225,0.75) 6(-4.225,0.25) 7(-4.225,-0.25) 8(-4.225,-0.75) 9(-4.225,-1.25) 10(-4.225,-1.75) 11(-4.225,-2.25) 12(-4.225,-2.75) 25(4.225,-2.75) 26(4.225,-2.25) 27(4.225,-1.75) 28(4.225,-1.25) 29(4.225,-0.75) 30(4.225,-0.25) 31(4.225,0.25) 32(4.225,0.75) 33(4.225,1.25) 34(4.225,1.75) 35(4.225,2.25) 36(4.225,2.75)
  oval 0.3x1.45 smd: 13(-2.75,-4.225) 14(-2.25,-4.225) 15(-1.75,-4.225) 16(-1.25,-4.225) 17(-0.75,-4.225) 18(-0.25,-4.225) 19(0.25,-4.225) 20(0.75,-4.225) 21(1.25,-4.225) 22(1.75,-4.225) 23(2.25,-4.225) 24(2.75,-4.225) 37(2.75,4.225) 38(2.25,4.225) 39(1.75,4.225) 40(1.25,4.225) 41(0.75,4.225) 42(0.25,4.225) 43(-0.25,4.225) 44(-0.75,4.225) 45(-1.25,4.225) 46(-1.75,4.225) 47(-2.25,4.225) 48(-2.75,4.225)
  silkscreen extent -4.35,-3.1 3.1,3.57, body extent -4.5,-4.5 4.5,4.5, height 1.06
"WSLP2726-X- NS" [mm] "Chip Resistor, Non Standard"
  rect 2.69x0.89 smd: 1(-2.5,2.862) 2(2.5,2.862)
  rect 2.69x5.71 smd: 3(-2.5,-1) 4(2.5,-1)
  silkscreen extent -4.14,-4.09 4.17,3.53, body extent -3.45,-3.3 3.45,3.3, height 2.96

## Part data
C1 C2 C3 C4 C5 C6: library part Cap_CC0603KRX7R0BB104, "Multilayer Ceramic Capacitor, 0.1uF, 100V, ±10%,  X7R 0603 [1608 Metric]", Manufacturer=Yageo, Max Temp="125 degC", Min Temp="-55 degC", Package=0603, Supplier 1 Part Number=311-1523-1-ND, Supplier Part Number=603-CC603KRX7R0BB104, Temp Coefficient=X7R, Tolerance=10%, Value Display=0.1uF,100V,0603, Voltage=100V, AEC-Q=NA, Category=Capacitor, ComponentLink1Description=Datasheet, ComponentLink1URL=https://www.yageo.com/upload/media/product/app/datasheet/mlcc/upy-np0x7r_mv_100-to-630v.pdf, Manufacturer Part Number=CC0603KRX7R0BB104, Mount Type="Surface Mount", Polarized=No, RoHS=Yes, Supplier=Mouser, Supplier 1=Digikey, Supplier 1 pricing per Unit="14.19 INR", Supplier pricing per Unit="14.19 INR", Technology=Ceramic, Value 1=CC0603KRX7R0BB104
C7 C8 C9: library part Cap_GRM188R72A104KA35D, "Multilayer Ceramic Capacitor, 100 nF, 100 V, ± 10%, X7R, 0603 [1608 Metric]", Manufacturer=Murata, Max Temp="125 degC", Min Temp="-55 degC", Package=0603, Supplier 1 Part Number=490-3285-1-ND, Supplier Part Number=81-GRM188R72A104KA35, Temp Coefficient=X7R, Tolerance=10%, Value Display="100nF, 100V,0603", Voltage=100V, AEC-Q=NA, Category=Capacitor, ComponentLink1Description=Datasheet, ComponentLink1URL=https://search.murata.co.jp/Ceramy/image/img/A01X/G101/ENG/GRM188R72A104KA35-01.pdf, Manufacturer Part Number=GRM188R72A104KA35D, Mount Type="Surface Mount", Polarized=No, RoHS=Yes, Supplier=Mouser, Supplier 1=Digikey, Supplier 1 pricing per Unit="17.71 INR", Supplier pricing per Unit="17.71 INR", Technology=Ceramic, Value 1=GRM188R72A104KA35D
C10 C11 C12 C13 C15 C16 C21 C22 C23 C25 C27 C31 C33 C35 C36 C37 C38 C39: library part Cap_GCJ188R71A224KA01D, "Multilayer Ceramic Capacitor, 220 nF, 10V, ±10%,  X7R 0603 [1608 Metric]", Manufacturer=Murata, Max Temp="125 degC", Min Temp="-55 degC", Package=0603, Supplier 1 Part Number=490-GCJ188R71A224KA01DTR-ND, Supplier Part Number=81-GCJ188R71A224KA1D, Temp Coefficient=X7R, Tolerance=10%, Value Display="220nF, 10 V, 0603", Voltage=10V, AEC-Q=200, Category=Capacitor, ComponentLink1Description=Datasheet, ComponentLink1URL=https://search.murata.co.jp/Ceramy/image/img/A01X/G101/ENG/GCJ188R71A224KA01-02B.pdf, Manufacturer Part Number=GCJ188R71A224KA01D, Mount Type="Surface Mount", Polarized=No, RoHS=Yes, Supplier=Mouser, Supplier 1=Digikey, Supplier 1 pricing per Unit="16.28 INR", Supplier pricing per Unit="12.51 INR", Technology=Ceramic, Value 1=GCJ188R71A224KA01D
C14 C18: library part Cap_GCJ31CR72A105KA01K, "Multilayer Ceramic Capacitor, 1uF, 100V, ±10%,  X7R 1206 [3216 Metric]", Manufacturer=Murata, Max Temp="125 degC", Min Temp="-55 degC", Package=1206, Supplier 1 Part Number=490-GCJ31CR72A105KA01KCT-ND, Supplier Part Number=81-GCJ31CR72A105KA1K, Temp Coefficient=X7R, Tolerance=10%, Value Display="1uF, 100 V, 0603", Voltage=100V, AEC-Q=200, Category=Capacitor, ComponentLink1Description=Datasheet, ComponentLink1URL=https://search.murata.co.jp/Ceramy/image/img/A01X/G101/ENG/GCJ31CR72A105KA01-01.pdf, Manufacturer Part Number=GCJ31CR72A105KA01K, Mount Type="Surface Mount", Polarized=No, RoHS=Yes, Supplier=Mouser, Supplier 1=Digikey, Supplier 1 pricing per Unit="40.02 INR", Supplier pricing per Unit="40.3 INR", Technology=Ceramic, Value 1=GCJ31CR72A105KA01K
C17: library part Cap_GRM188Z71E225KE43D, "2.2 µF ±10% 25V Ceramic Capacitor X7R 0603 (1608 Metric)", Manufacturer=Murata, Max Temp="125 degC", Min Temp="-55 degC", Package=0603, Supplier 1 Part Number=490-GRM188Z71E225KE43DCT-ND, Supplier Part Number=81-GRM188Z71E225KE3D, Temp Coefficient=X7R, Tolerance=10%, Value Display="2.2 uF, 25V, 0603", Voltage=25V, AEC-Q=NA, Category=Capacitor, ComponentLink1Description=Datasheet, ComponentLink1URL=https://search.murata.co.jp/Ceramy/image/img/A01X/G101/ENG/GRM188Z71E225KE43-01A.pdf, Manufacturer Part Number=GRM188Z71E225KE43D, Mount Type="Surface Mount", Polarized=No, RoHS=Yes, Supplier=Mouser, Supplier 1=Digikey, Supplier 1 pricing per Unit="19.34 INR", Supplier pricing per Unit="19.18 INR", Technology=Ceramic, Value 1=GRM188Z71E225KE43D
C19 C58 C61 C67 C69 C71 C83 C84 C85 C86: library part Cap_CGA3E1X7R1C105K080AC, "Multilayer Ceramic Capacitor, 1uF, 16V, ±10%,  X7R 0603 [1608 Metric]", Manufacturer="TDK Corporation", Max Temp="125 degC", Min Temp="-55 degC", Package=0603, Supplier 1 Part Number=445-12539-1-ND, Supplier Part Number=810-CGA3E1X7R1C105AC, Temp Coefficient=X7R, Tolerance=10%, Value Display="1uF,16 V,0603", Voltage=16V, AEC-Q=200, Category=Capacitor, ComponentLink1Description=Datasheet, ComponentLink1URL=https://product.tdk.com/system/files/dam/doc/product/capacitor/ceramic/mlcc/catalog/mlcc_automotive_general_en.pdf, Manufacturer Part Number=CGA3E1X7R1C105K080AC, Mount Type="Surface Mount", Polarized=No, RoHS=Yes, Supplier=Mouser, Supplier 1=Digikey, Supplier 1 pricing per Unit="10.84 INR", Supplier pricing per Unit="10.01 INR", Technology=Ceramic, Value 1=CGA3E1X7R1C105K080AC
C20: library part Cap_GCM1885C2A101JA16J, "Multilayer Ceramic Capacitor, 100 pF, 100V, ±5%,  C0G 0603 [1608 Metric]", Manufacturer=Murata, Max Temp="125 degC", Min Temp="-55 degC", Package=0603, Supplier 1 Part Number=490-GCM1885C2A101JA16JCT-ND, Supplier Part Number=81-GCM1885C2A101JA6J, Temp Coefficient=C0G, Tolerance=5%, Value Display="100pF,100 V,0603", Voltage=100V, AEC-Q=200, Category=Capacitor, ComponentLink1Description=Datasheet, ComponentLink1URL=https://www.murata.com/-/media/webrenewal/support/library/catalog/products/k35e.ashx?la=en-us&cvid=20200508021757000000, Manufacturer Part Number=GCM1885C2A101JA16J, Mount Type="Surface Mount", Polarized=No, RoHS=Yes, Supplier=Mouser, Supplier 1=Digikey, Supplier 1 pricing per Unit="8.33 INR", Supplier pricing per Unit="8.33 INR", Technology=Ceramic, Value 1=GCM1885C2A101JA16J
C24: library part Cap_GRM188R71A225KE15D, "Multilayer Ceramic Capacitor, 2.2 uF, 10 V, ± 10%, X7R, 0603 [1608 Metric]", Manufacturer=Murata, Max Temp="125 degC", Min Temp="-55 degC", Package=0603, Supplier 1 Part Number=490-4520-1-ND, Supplier Part Number=81-GRM188R71A225KE15, Temp Coefficient=X7R, Tolerance=10%, Value Display="2.2uF,10 V,0603", Voltage=10V, AEC-Q=NA, Category=Capacitor, ComponentLink1Description=Datasheet, ComponentLink1URL=https://www.murata.com/-/media/webrenewal/support/library/catalog/products/k35e.ashx?la=en-us&cvid=20200508021757000000, Manufacturer Part Number=GRM188R71A225KE15D, Mount Type="Surface Mount", Polarized=No, RoHS=Yes, Supplier=Mouser, Supplier 1=Digikey, Supplier 1 pricing per Unit="15.00 INR", Supplier pricing per Unit="13.34 INR", Technology=Ceramic, Value 1=GRM188R71A225KE15D